# Altium PCB XTIDA-010086.PcbDoc (part 1 of 17) (continued)
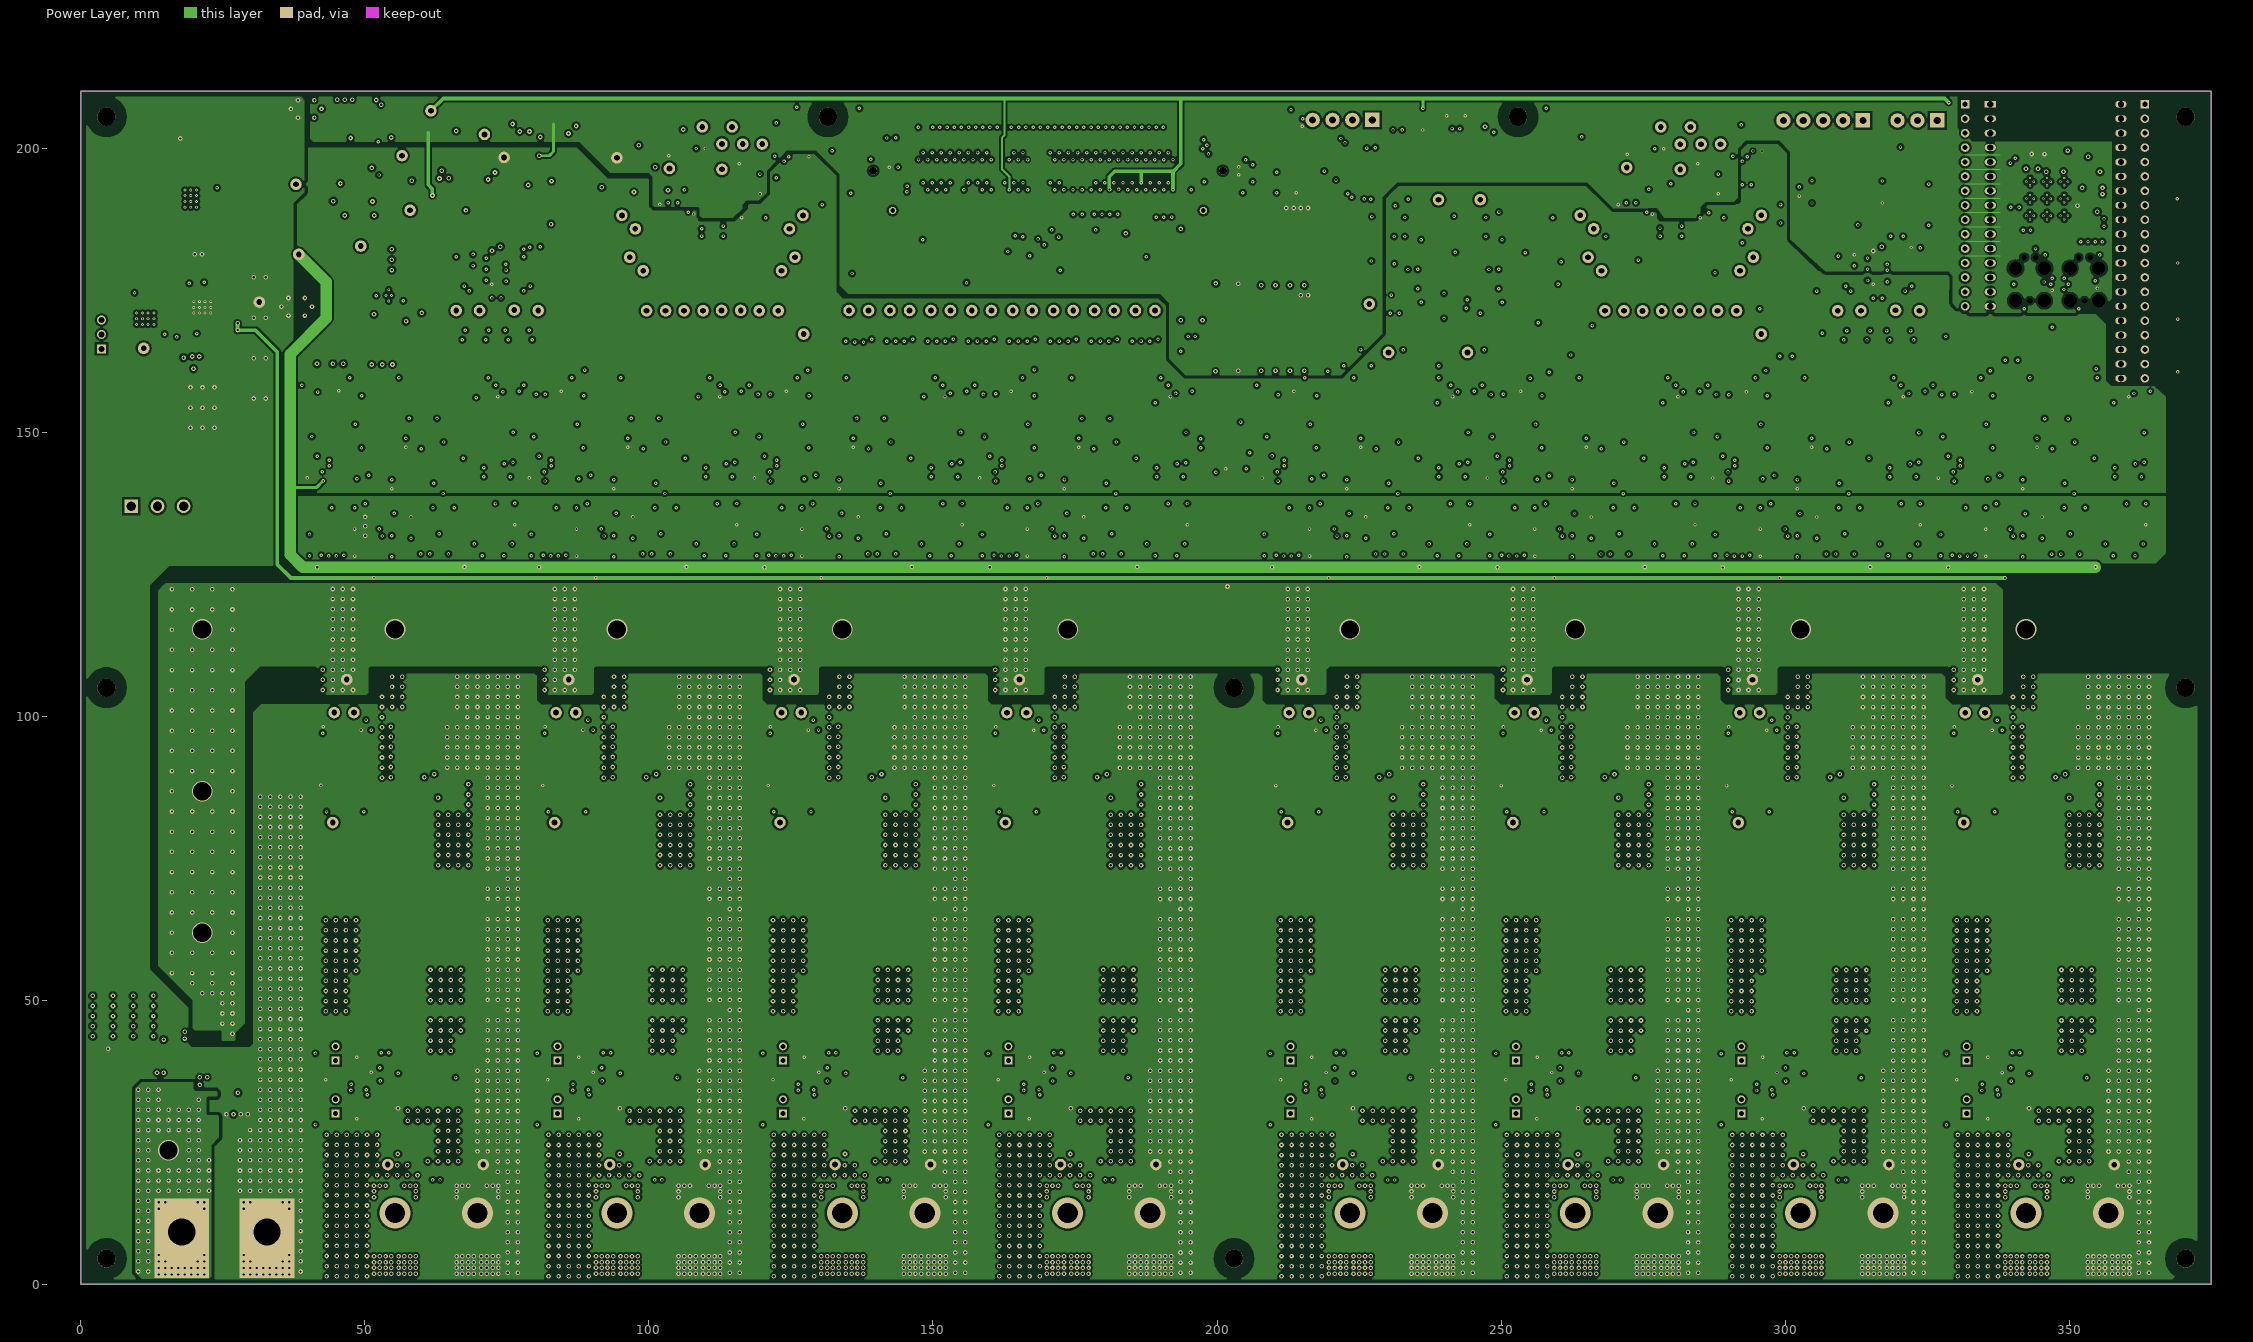
[diagram p5: Power Layer]

## Layer stack, top to bottom
Top Solder: solder mask 0.0102, Solder Resist, Dk 3.5
Top Layer: signal copper 0.0711
Dielectric 1: dielectric 0.2032, FR-4 High Tg, Dk 4.2
GND Layer: signal copper 0.0711
Dielectric2: core 0.2032, FR-4 High Tg, Dk 4.8
Signal Layer 1: signal copper 0.0356
Dielectric 3: dielectric 0.4064, FR-4 High Tg, Dk 4.2
Signal Layer 2: signal copper 0.0356
Dielectric 4: dielectric 0.2032, FR-4 High Tg, Dk 4.2
Power Layer: signal copper 0.0711
Dielectric 5: dielectric 0.2032, FR-4 High Tg, Dk 4.2
Bottom Layer: signal copper 0.0711
Bottom Solder: solder mask 0.0102, Solder Resist, Dk 3.5

## Board outline
0,0 375,0 375,210 0,210

## Design rules (kind name [scope] priority, off if disabled: settings)
AcuteAngle [All] p1: minimum=4.50000000000000E+0001 checktracksonly=FALSE
AssemblyTestPointUsage [All] p1: valid=2
BoardOutlineClearance [All] p1: gap=0.635 ignorepadtopadclearanceinfootprint=FALSE
Clearance mounting_hole_clearence [InPadClass('mounting hole') vs InPolygon] p1: gap=2.032 ignorepadtopadclearanceinfootprint=FALSE
Clearance Clearance_Poly [InPolygon vs InPolygon] p2: gap=0.635 ignorepadtopadclearanceinfootprint=FALSE
Clearance "Clearance_poly to all" [inpoly] p3: gap=0.381 ignorepadtopadclearanceinfootprint=FALSE
Clearance [All] p4: gap=0.152 ignorepadtopadclearanceinfootprint=FALSE except(0: Arc-Arc Arc-SMDPad)
ComponentClearance ComponentClearance_MountingHoles_FiducialMarks [InComponentClass('Mounting Holes') vs InComponentClass('FiducialMark')] p1: gap=0.254 collisioncheckmode=3 verticalgap=0.254 showdistances=FALSE
ComponentClearance ComponentClearance_Shunt [InComponentClass('Header') vs InComponentClass('Shunt')] p2: gap=0 collisioncheckmode=3 verticalgap=0 showdistances=FALSE
ComponentClearance ComponentClearance_Logo [InComponentClass('Logo')] p3: gap=0.254 collisioncheckmode=3 verticalgap=0.254 showdistances=FALSE
ComponentClearance ComponentClearance_ScrewToNut [(HasFootprint('NY PMS 440 0025 PH')) vs (HasFootprint('Keystone_1902C'))] p4: gap=0.127 collisioncheckmode=3 verticalgap=0.254 showdistances=FALSE
ComponentClearance ComponentClearance_MountingHoles [InComponentClass('Mounting Holes')] p5: gap=0.025 collisioncheckmode=3 verticalgap=2540 showdistances=FALSE
ComponentClearance ComponentClearance_SmallPassives [HasFootprint('0201*') or HasFootprint('0402*') or HasFootprint('0508') or HasFootprint('0603*') or HasFootprint('0612') or HasFootprint('0805*') or HasFootprint('0815*') or HasFootprint('0830*') or HasFootprint('1206*') or HasFootprint('1210*') or HasFootprint('1808*') or HasFootprint('1812*') or HasFootprint('1825*') or HasFootprint('2010*') or HasFootprint('2220*') or HasFootprint('2225*') or HasFootprint('2512*') or HasFootprint('2728*') or HasFootprint('3518*') vs HasFootprint('0201*') or HasFootprint('0402*') or HasFootprint('0508') or HasFootprint('0603*') or HasFootprint('0612') or HasFootprint('0805*') or HasFootprint('0815*') or HasFootprint('0830*') or HasFootprint('1206*') or HasFootprint('1210*') or HasFootprint('1808*') or HasFootprint('1812*') or HasFootprint('1825*') or HasFootprint('2010*') or HasFootprint('2220*') or HasFootprint('2225*') or HasFootprint('2512*') or HasFootprint('2728*') or HasFootprint('3518*')] p6: gap=0.076 collisioncheckmode=3 verticalgap=0.076 showdistances=FALSE
ComponentClearance ComponentClearance_THtoSMT [IsThruComponent vs IsSMTComponent] p7: gap=0 collisioncheckmode=3 verticalgap=0 showdistances=FALSE
ComponentClearance ComponentClearance_THtoTH [IsThruComponent vs IsThruComponent] p8: gap=0.254 collisioncheckmode=3 verticalgap=0.254 showdistances=FALSE
ComponentClearance [All] p9: gap=0.025 collisioncheckmode=3 verticalgap=0.025 showdistances=FALSE
DiffPairsRouting [All] p1: maxlimit=2.54 minlimit=0.254 mostfreqgap=0.254 toplayer_minwidth=0.254 toplayer_maxwidth=0.381 toplayer_prefwidth=0.254 midlayer1_minwidth=0.254 midlayer1_maxwidth=0.381 midlayer1_prefwidth=0.254 midlayer2_minwidth=0.254 midlayer2_maxwidth=0.381 midlayer2_prefwidth=0.254 midlayer3_minwidth=0.254 midlayer3_maxwidth=0.381 midlayer3_prefwidth=0.254 midlayer4_minwidth=0.254 midlayer4_maxwidth=0.381 midlayer4_prefwidth=0.254 bottomlayer_minwidth=0.254 bottomlayer_maxwidth=0.381 bottomlayer_prefwidth=0.254 maxuncoupledlength=25.4
FabricationTestPointUsage TestPointUsage [All] p1: valid=2 allowmultiple=FALSE
FabricationTestpoint Testpoint [All] p1: side=3 testpointundercomponent=TRUE minsize=1.016 maxsize=2.54 preferedsize=1.524 minholesize=0 maxholesize=1.016 preferedholesize=0.813 testpointgrid=0.025 allowsidetop=TRUE allowsidebottom=TRUE usegrid=TRUE gridtolerance=0
FanoutControl Fanout_LCC [IsLCC] p1: bgadir=Out bgaviamode=Centered fanoutstyle=Auto fanoutdirection=Alternating viagrid=0.025 // Fanout_LCC (Default Rule)
FanoutControl Fanout_BGA [IsBGA] p2: bgadir=Out bgaviamode=Centered fanoutstyle=Auto fanoutdirection=Alternating viagrid=0.025 // Fanout_BGA (Default Rule)
FanoutControl Fanout_Default [All] p4: bgadir=Out bgaviamode=Centered fanoutstyle=Auto fanoutdirection=Alternating viagrid=0.025 // Fanout_Default (Default Rule)
FanoutControl Fanout_Small [(CompPinCount < 5)] p5: bgadir=Out bgaviamode=Centered fanoutstyle=Auto fanoutdirection=OutThenIn viagrid=0.025 // Fanout_Small (Default Rule)
HoleSize [All] p1: absolutevalues=TRUE maxlimit=6.375 minlimit=0.2 maxpercent=80.000 minpercent=20.000
MinimumAnnularRing MinimumAnnularRing_ThermalPadVias [IsVia and InAnyComponent] p1: minimumring=0.15
MinimumAnnularRing [All] p2: minimumring=0.15
MinimumSolderMaskSliver MinimumSolderMaskSliver_Logo [InComponentClass('Logo') vs InComponentClass('Logo')] p1: minsoldermaskwidth=0.018
MinimumSolderMaskSliver [All] p2: minsoldermaskwidth=0.1
PlaneConnect [All] p1: planeconnectstyle=Direct reliefexpansion=0.254 reliefentries=4 reliefconductorwidth=0.254 reliefairgap=0.254
PolygonConnect [All] p1: connectstyle=Direct reliefconductorwidth=0.254 reliefentries=4 polygonreliefangle="90 Angle" airgapwidth=0.254
RoomDefinition Ch2 [InComponentClass('Ch2')] p1: confinementstyle=ConfineIn formatcopy=TRUE lockcomponents=FALSE outline 117.475,-10.975 78.537,-10.975 78.537,159.332 117.475,159.332
RoomDefinition Ch3 [InComponentClass('Ch3')] p2: confinementstyle=ConfineIn formatcopy=TRUE lockcomponents=FALSE outline 157.15,-10.977 118.212,-10.977 118.212,159.33 157.15,159.33
RoomDefinition Ch4 [InComponentClass('Ch4')] p3: confinementstyle=ConfineIn formatcopy=TRUE lockcomponents=FALSE outline 196.825,-10.979 157.886,-10.979 157.886,159.328 196.825,159.328
RoomDefinition Ch5 [InComponentClass('Ch5')] p4: confinementstyle=ConfineIn formatcopy=TRUE lockcomponents=FALSE outline 246.499,-10.981 207.561,-10.981 207.561,159.326 246.499,159.326
RoomDefinition Ch6 [InComponentClass('Ch6')] p5: confinementstyle=ConfineIn formatcopy=TRUE lockcomponents=FALSE outline 286.174,-10.983 247.236,-10.983 247.236,159.324 286.174,159.324
RoomDefinition Ch7 [InComponentClass('Ch7')] p6: confinementstyle=ConfineIn formatcopy=TRUE lockcomponents=FALSE outline 325.849,-10.985 286.911,-10.985 286.911,159.322 325.849,159.322
RoomDefinition Ch8 [InComponentClass('Ch8')] p7: confinementstyle=ConfineIn formatcopy=TRUE lockcomponents=FALSE outline 365.524,-10.987 326.586,-10.987 326.586,159.32 365.524,159.32
RoomDefinition Hardware [InComponentClass('Hardware')] p8: confinementstyle=ConfineIn formatcopy=TRUE lockcomponents=FALSE outline -0.076,-0.102 375.031,-0.102 375.031,210.058 -0.076,210.058
RoomDefinition "Control Card_28379" [InComponentClass('Control Card_28379')] p9: confinementstyle=ConfineIn formatcopy=TRUE lockcomponents=FALSE outline 132.369,161.976 281.407,161.976 281.407,197.739 132.369,197.739
RoomDefinition "Bias Power Supply" [InComponentClass('Bias Power Supply')] p10: confinementstyle=ConfineIn formatcopy=TRUE lockcomponents=FALSE outline 74.537,142.401 74.537,202.548 1.868,202.548 1.868,142.401
RoomDefinition "MAIN SHEET" [InComponentClass('MAIN SHEET')] p11: confinementstyle=ConfineIn formatcopy=TRUE lockcomponents=FALSE outline 38.608,-17.969 38.608,54.853 7.137,54.853 7.137,-17.969
RoomDefinition Ch1 [InComponentClass('Ch1')] p12: confinementstyle=ConfineIn formatcopy=FALSE lockcomponents=FALSE outline 78.41,-10.973 39.472,-10.973 39.472,159.334 78.41,159.334
RoomDefinition ADC [InComponentClass('ADC')] p13: confinementstyle=ConfineIn formatcopy=TRUE lockcomponents=FALSE outline 76.109,162.121 349.083,162.121 349.083,204.946 76.109,204.946
RoutingVias ThermalPadVias [IsVia and InAnyComponent] p1: holewidth=0.2 width=0.5 viastyle="Through Hole" minholewidth=0.2 minwidth=0.5 maxholewidth=0.33 maxwidth=0.6
RoutingVias [All] p2: holewidth=0.406 width=0.813 viastyle="Through Hole" minholewidth=0.305 minwidth=0.61 maxholewidth=0.406 maxwidth=0.813
SilkToBoardRegionClearance [Not ((IsComment or IsDesignator) And (Hide <> 'False')) and not InRegion(1000,500,4000,800)] p1:
SilkToSilkClearance SilkToSilkClearance_Pb-FreeLogo [(HasFootprint('Pb-Free_Overlay_Medium') OR HasFootprint('Pb-Free_Overlay_Small')) vs (HasFootprint('Pb-Free_Overlay_Medium') OR HasFootprint('Pb-Free_Overlay_Small'))] p1: silktosilkclearance=0
SilkToSilkClearance [All] p2: silktosilkclearance=0.051
SilkToSolderMaskClearance SilkToComponentPadClearance [(IsPad or IsFill or IsRegion) and InAnycomponent] p1: minsilkscreentomaskgap=0.127 clearancetoexposedcopper=TRUE
SilkToSolderMaskClearance "Silk to Solder Mask Opening" [All] p2: minsilkscreentomaskgap=0.102 clearancetoexposedcopper=FALSE
SolderMaskExpansion [All] p1: expansion=0.05 istentingtop=FALSE
Width [All] p1: maxlimit=2.54 minlimit=0.152 preferedwidth=0.254 checkconnectedcopper=TRUE
15 further rules are at their usual default settings.

## Classes and differential pairs
net class VoutS[1..8]: VoutS1 VoutS2 VoutS3 VoutS4 VoutS5 VoutS6 VoutS7 VoutS8
net class ACS: 10V -5V AGND AVDD B+_Ch1 B+_Ch2 B+_Ch3 B+_Ch4 B+_Ch5 B+_Ch6 B+_Ch7 B+_Ch8 B-_Ch1 B-_Ch2 B-_Ch3 B-_Ch4 B-_Ch5 B-_Ch6 B-_Ch7 B-_Ch8 NetC38_Ch1_2 NetC38_Ch2_2 NetC38_Ch3_2 NetC38_Ch4_2 NetC38_Ch5_2 NetC38_Ch6_2 NetC38_Ch7_2 NetC38_Ch8_2 NetC48_Ch1_1 NetC48_Ch1_2 NetC48_Ch2_1 NetC48_Ch2_2 NetC48_Ch3_1 NetC48_Ch3_2 NetC48_Ch4_1 NetC48_Ch4_2 NetC48_Ch5_1 NetC48_Ch5_2 NetC48_Ch6_1 NetC48_Ch6_2 NetC48_Ch7_1 NetC48_Ch7_2 NetC48_Ch8_1 NetC48_Ch8_2 NetC49_Ch1_2 NetC49_Ch2_2 NetC49_Ch3_2 NetC49_Ch4_2 NetC49_Ch5_2 NetC49_Ch6_2 NetC49_Ch7_2 NetC49_Ch8_2 NetC50_Ch1_1 NetC50_Ch1_2 NetC50_Ch2_1 NetC50_Ch2_2 NetC50_Ch3_1 NetC50_Ch3_2 NetC50_Ch4_1 NetC50_Ch4_2 NetC50_Ch5_1 NetC50_Ch5_2 NetC50_Ch6_1 NetC50_Ch6_2 NetC50_Ch7_1 NetC50_Ch7_2 NetC50_Ch8_1 NetC50_Ch8_2 NetC54_Ch1_1 NetC54_Ch1_2 NetC54_Ch2_1 NetC54_Ch2_2 NetC54_Ch3_1 NetC54_Ch3_2 NetC54_Ch4_1 NetC54_Ch4_2 NetC54_Ch5_1 NetC54_Ch5_2 NetC54_Ch6_1 NetC54_Ch6_2 NetC54_Ch7_1 NetC54_Ch7_2 NetC54_Ch8_1 NetC54_Ch8_2 NetR63_Ch1_1 NetR63_Ch2_1 NetR63_Ch3_1 NetR63_Ch4_1 NetR63_Ch5_1 NetR63_Ch6_1 NetR63_Ch7_1 NetR63_Ch8_1 VoutS1 VoutS2 VoutS3 VoutS4 VoutS5 VoutS6 VoutS7 VoutS8
net class TS: AGND AVdd NetC180_Ch1_1 NetC180_Ch1_2 NetC180_Ch2_1 NetC180_Ch2_2 NetC180_Ch3_1 NetC180_Ch3_2 NetC180_Ch4_1 NetC180_Ch4_2 NetC180_Ch5_1 NetC180_Ch5_2 NetC180_Ch6_1 NetC180_Ch6_2 NetC180_Ch7_1 NetC180_Ch7_2 NetC180_Ch8_1 NetC180_Ch8_2 NetC185_Ch1_2 NetC185_Ch2_2 NetC185_Ch3_2 NetC185_Ch4_2 NetC185_Ch5_2 NetC185_Ch6_2 NetC185_Ch7_2 NetC185_Ch8_2 TemP1 TemP2 TemP3 TemP4 TemP5 TemP6 TemP7 TemP8 Vbias_1_25 Vref_2_50
net class RV: 10V -5V B+_Ch1 B+_Ch2 B+_Ch3 B+_Ch4 B+_Ch5 B+_Ch6 B+_Ch7 B+_Ch8 NetD34_Ch1_1 NetD34_Ch1_2 NetD34_Ch2_1 NetD34_Ch2_2 NetD34_Ch3_1 NetD34_Ch3_2 NetD34_Ch4_1 NetD34_Ch4_2 NetD34_Ch5_1 NetD34_Ch5_2 NetD34_Ch6_1 NetD34_Ch6_2 NetD34_Ch7_1 NetD34_Ch7_2 NetD34_Ch8_1 NetD34_Ch8_2 NetD35_Ch1_1 NetD35_Ch1_2 NetD35_Ch2_1 NetD35_Ch2_2 NetD35_Ch3_1 NetD35_Ch3_2 NetD35_Ch4_1 NetD35_Ch4_2 NetD35_Ch5_1 NetD35_Ch5_2 NetD35_Ch6_1 NetD35_Ch6_2 NetD35_Ch7_1 NetD35_Ch7_2 NetD35_Ch8_1 NetD35_Ch8_2 NetD36_Ch1_2 NetD36_Ch2_2 NetD36_Ch3_2 NetD36_Ch4_2 NetD36_Ch5_2 NetD36_Ch6_2 NetD36_Ch7_2 NetD36_Ch8_2 NetR44_Ch1_1 NetR44_Ch2_1 NetR44_Ch3_1 NetR44_Ch4_1 NetR44_Ch5_1 NetR44_Ch6_1 NetR44_Ch7_1 NetR44_Ch8_1 NetR45_Ch1_1 NetR45_Ch2_1 NetR45_Ch3_1 NetR45_Ch4_1 NetR45_Ch5_1 NetR45_Ch6_1 NetR45_Ch7_1 NetR45_Ch8_1 NetR161_Ch1_1 NetR161_Ch2_1 NetR161_Ch3_1 NetR161_Ch4_1 NetR161_Ch5_1 NetR161_Ch6_1 NetR161_Ch7_1 NetR161_Ch8_1 PDrive_Ch1 PDrive_Ch2 PDrive_Ch3 PDrive_Ch4 PDrive_Ch5 PDrive_Ch6 PDrive_Ch7 PDrive_Ch8 PGND V+_Ch1 V+_Ch2 V+_Ch3 V+_Ch4 V+_Ch5 V+_Ch6 V+_Ch7 V+_Ch8
net class PS: 12V_Out +VSense_Ch1 +VSense_Ch2 +VSense_Ch3 +VSense_Ch4 +VSense_Ch5 +VSense_Ch6 +VSense_Ch7 +VSense_Ch8 -VSense_Ch1 -VSense_Ch2 -VSense_Ch3 -VSense_Ch4 -VSense_Ch5 -VSense_Ch6 -VSense_Ch7 -VSense_Ch8 B+_Ch1 B+_Ch2 B+_Ch3 B+_Ch4 B+_Ch5 B+_Ch6 B+_Ch7 B+_Ch8 B-_Ch1 B-_Ch2 B-_Ch3 B-_Ch4 B-_Ch5 B-_Ch6 B-_Ch7 B-_Ch8 CS+_Ch1 CS+_Ch2 CS+_Ch3 CS+_Ch4 CS+_Ch5 CS+_Ch6 CS+_Ch7 CS+_Ch8 CS-_Ch1 CS-_Ch2 CS-_Ch3 CS-_Ch4 CS-_Ch5 CS-_Ch6 CS-_Ch7 CS-_Ch8 HDrive_Ch1 HDrive_Ch2 HDrive_Ch3 HDrive_Ch4 HDrive_Ch5 HDrive_Ch6 HDrive_Ch7 HDrive_Ch8 LDrive_Ch1 LDrive_Ch2 LDrive_Ch3 LDrive_Ch4 LDrive_Ch5 LDrive_Ch6 LDrive_Ch7 LDrive_Ch8 NetC2_Ch1_2 NetC2_Ch2_2 NetC2_Ch3_2 NetC2_Ch4_2 NetC2_Ch5_2 NetC2_Ch6_2 NetC2_Ch7_2 NetC2_Ch8_2 NetC3_Ch1_1 NetC3_Ch2_1 NetC3_Ch3_1 NetC3_Ch4_1 NetC3_Ch5_1 NetC3_Ch6_1 NetC3_Ch7_1 NetC3_Ch8_1 NetC9_Ch1_1 NetC9_Ch2_1 NetC9_Ch3_1 NetC9_Ch4_1 NetC9_Ch5_1 NetC9_Ch6_1 NetC9_Ch7_1 NetC9_Ch8_1 NetC15_Ch1_2 NetC15_Ch2_2 NetC15_Ch3_2 NetC15_Ch4_2 NetC15_Ch5_2 NetC15_Ch6_2 NetC15_Ch7_2 NetC15_Ch8_2 NetF1_Ch1_1 NetF1_Ch1_2 NetF1_Ch2_1 NetF1_Ch2_2 NetF1_Ch3_1 NetF1_Ch3_2 NetF1_Ch4_1 NetF1_Ch4_2 NetF1_Ch5_1 NetF1_Ch5_2 NetF1_Ch6_1 NetF1_Ch6_2 NetF1_Ch7_1 NetF1_Ch7_2 NetF1_Ch8_1 NetF1_Ch8_2 NetL2_Ch1_2 NetL2_Ch2_2 NetL2_Ch3_2 NetL2_Ch4_2 NetL2_Ch5_2 NetL2_Ch6_2 NetL2_Ch7_2 NetL2_Ch8_2 NetQ8_Ch1_4 NetQ8_Ch2_4 NetQ8_Ch3_4 NetQ8_Ch4_4 NetQ8_Ch5_4 NetQ8_Ch6_4 NetQ8_Ch7_4 NetQ8_Ch8_4 NetR6_Ch1_3 NetR6_Ch1_4 NetR6_Ch2_3 NetR6_Ch2_4 NetR6_Ch3_3 NetR6_Ch3_4 NetR6_Ch4_3 NetR6_Ch4_4 NetR6_Ch5_3 NetR6_Ch5_4 NetR6_Ch6_3 NetR6_Ch6_4 NetR6_Ch7_3 NetR6_Ch7_4 NetR6_Ch8_3 NetR6_Ch8_4 PDrive_Ch1 PDrive_Ch2 PDrive_Ch3 PDrive_Ch4 PDrive_Ch5 PDrive_Ch6 PDrive_Ch7 PDrive_Ch8 PGND SW_Ch1 SW_Ch2 SW_Ch3 SW_Ch4 SW_Ch5 SW_Ch6 SW_Ch7 SW_Ch8 V+_Ch1 V+_Ch2 V+_Ch3 V+_Ch4 V+_Ch5 V+_Ch6 V+_Ch7 V+_Ch8 V-_Ch1 V-_Ch2 V-_Ch3 V-_Ch4 V-_Ch5 V-_Ch6 V-_Ch7 V-_Ch8
net class DRV: 10V_Gate EPWM_A1 EPWM_A2 EPWM_A3 EPWM_A4 EPWM_A5 EPWM_A6 EPWM_A7 EPWM_A8 EPWM_B1 EPWM_B2 EPWM_B3 EPWM_B4 EPWM_B5 EPWM_B6 EPWM_B7 EPWM_B8 H-Drive_Ch1 H-Drive_Ch2 H-Drive_Ch3 H-Drive_Ch4 H-Drive_Ch5 H-Drive_Ch6 H-Drive_Ch7 H-Drive_Ch8 HDrive_Ch1 HDrive_Ch2 HDrive_Ch3 HDrive_Ch4 HDrive_Ch5 HDrive_Ch6 HDrive_Ch7 HDrive_Ch8 L-Drive_Ch1 L-Drive_Ch2 L-Drive_Ch3 L-Drive_Ch4 L-Drive_Ch5 L-Drive_Ch6 L-Drive_Ch7 L-Drive_Ch8 LDrive_Ch1 LDrive_Ch2 LDrive_Ch3 LDrive_Ch4 LDrive_Ch5 LDrive_Ch6 LDrive_Ch7 LDrive_Ch8 NetC1_Ch1_1 NetC1_Ch2_1 NetC1_Ch3_1 NetC1_Ch4_1 NetC1_Ch5_1 NetC1_Ch6_1 NetC1_Ch7_1 NetC1_Ch8_1 NetC8_Ch1_2 NetC8_Ch2_2 NetC8_Ch3_2 NetC8_Ch4_2 NetC8_Ch5_2 NetC8_Ch6_2 NetC8_Ch7_2 NetC8_Ch8_2 NetD3_Ch1_2 NetD3_Ch2_2 NetD3_Ch3_2 NetD3_Ch4_2 NetD3_Ch5_2 NetD3_Ch6_2 NetD3_Ch7_2 NetD3_Ch8_2 NetD4_Ch1_2 NetD4_Ch2_2 NetD4_Ch3_2 NetD4_Ch4_2 NetD4_Ch5_2 NetD4_Ch6_2 NetD4_Ch7_2 NetD4_Ch8_2 NetR1_Ch1_1 NetR1_Ch2_1 NetR1_Ch3_1 NetR1_Ch4_1 NetR1_Ch5_1 NetR1_Ch6_1 NetR1_Ch7_1 NetR1_Ch8_1 NetR3_Ch1_1 NetR3_Ch2_1 NetR3_Ch3_1 NetR3_Ch4_1 NetR3_Ch5_1 NetR3_Ch6_1 NetR3_Ch7_1 NetR3_Ch8_1 PGND SW_Ch1 SW_Ch2 SW_Ch3 SW_Ch4 SW_Ch5 SW_Ch6 SW_Ch7 SW_Ch8
net class CS: 10V -5V AGND AVDD CS+_Ch1 CS+_Ch2 CS+_Ch3 CS+_Ch4 CS+_Ch5 CS+_Ch6 CS+_Ch7 CS+_Ch8 CS-_Ch1 CS-_Ch2 CS-_Ch3 CS-_Ch4 CS-_Ch5 CS-_Ch6 CS-_Ch7 CS-_Ch8 IoutN1 IoutN2 IoutN3 IoutN4 IoutN5 IoutN6 IoutN7 IoutN8 IoutP1 IoutP2 IoutP3 IoutP4 IoutP5 IoutP6 IoutP7 IoutP8 IoutS1 IoutS2 IoutS3 IoutS4 IoutS5 IoutS6 IoutS7 IoutS8 NetC16_Ch1_1 NetC16_Ch1_2 NetC16_Ch2_1 NetC16_Ch2_2 NetC16_Ch3_1 NetC16_Ch3_2 NetC16_Ch4_1 NetC16_Ch4_2 NetC16_Ch5_1 NetC16_Ch5_2 NetC16_Ch6_1 NetC16_Ch6_2 NetC16_Ch7_1 NetC16_Ch7_2 NetC16_Ch8_1 NetC16_Ch8_2 NetC19_Ch1_1 NetC19_Ch1_2 NetC19_Ch2_1 NetC19_Ch2_2 NetC19_Ch3_1 NetC19_Ch3_2 NetC19_Ch4_1 NetC19_Ch4_2 NetC19_Ch5_1 NetC19_Ch5_2 NetC19_Ch6_1 NetC19_Ch6_2 NetC19_Ch7_1 NetC19_Ch7_2 NetC19_Ch8_1 NetC19_Ch8_2 NetC26_Ch1_1 NetC26_Ch2_1 NetC26_Ch3_1 NetC26_Ch4_1 NetC26_Ch5_1 NetC26_Ch6_1 NetC26_Ch7_1 NetC26_Ch8_1 NetC27_Ch1_1 NetC27_Ch2_1 NetC27_Ch3_1 NetC27_Ch4_1 NetC27_Ch5_1 NetC27_Ch6_1 NetC27_Ch7_1 NetC27_Ch8_1 NetC33_Ch1_1 NetC33_Ch1_2 NetC33_Ch2_1 NetC33_Ch2_2 NetC33_Ch3_1 NetC33_Ch3_2 NetC33_Ch4_1 NetC33_Ch4_2 NetC33_Ch5_1 NetC33_Ch5_2 NetC33_Ch6_1 NetC33_Ch6_2 NetC33_Ch7_1 NetC33_Ch7_2 NetC33_Ch8_1 NetC33_Ch8_2 NetC35_Ch1_1 NetC35_Ch1_2 NetC35_Ch2_1 NetC35_Ch2_2 NetC35_Ch3_1 NetC35_Ch3_2 NetC35_Ch4_1 NetC35_Ch4_2 NetC35_Ch5_1 NetC35_Ch5_2 NetC35_Ch6_1 NetC35_Ch6_2 NetC35_Ch7_1 NetC35_Ch7_2 NetC35_Ch8_1 NetC35_Ch8_2 NetC147_Ch1_1 NetC147_Ch2_1 NetC147_Ch3_1 NetC147_Ch4_1 NetC147_Ch5_1 NetC147_Ch6_1 NetC147_Ch7_1 NetC147_Ch8_1 NetR30_Ch1_1 NetR30_Ch1_2 NetR30_Ch2_1 NetR30_Ch2_2 NetR30_Ch3_1 NetR30_Ch3_2 NetR30_Ch4_1 NetR30_Ch4_2 NetR30_Ch5_1 NetR30_Ch5_2 NetR30_Ch6_1 NetR30_Ch6_2 NetR30_Ch7_1 NetR30_Ch7_2 NetR30_Ch8_1 NetR30_Ch8_2 NetR34_Ch1_1 NetR34_Ch2_1 NetR34_Ch3_1 NetR34_Ch4_1 NetR34_Ch5_1 NetR34_Ch6_1 NetR34_Ch7_1 NetR34_Ch8_1 NetR40_Ch1_2 NetR40_Ch2_2 NetR40_Ch3_2 NetR40_Ch4_2 NetR40_Ch5_2 NetR40_Ch6_2 NetR40_Ch7_2 NetR40_Ch8_2 Vbias_1_25
net class IoutS[1..8]: IoutS1 IoutS2 IoutS3 IoutS4 IoutS5 IoutS6 IoutS7 IoutS8
net class TemP[1..8]: TemP1 TemP2 TemP3 TemP4 TemP5 TemP6 TemP7 TemP8
channel class "XTIDA-010086_Power Stage": Ch1 Ch2 Ch3 Ch4 Ch5 Ch6 Ch7 Ch8
component class "Control Card_28379": C32 C34 C124 C125 C126 C135 C150 C169 C173 C175 C176 C186 C194 C195 CAN D12 D13 D33 I2C J5 J6 J7 LED P1 P2 R22 R23 R26 R27 R43 R47 R48 R49 R50 R51 R52 R53 R54 R55 R56 R57 R58 R59 R60 R162 R164 R165 R173 R187 R220 R222 R223 R224 R225 R226 R227 R228 R229 R230 R231 R232 R233 R234 R235 R236 R237 R238 R239 R240 R241 R242 R243 R244 R245 R246 R247 R248 R249 R250 R251 R252 R253 R254 R255 R256 R257 R258 R259 R260 R261 R262 R263 R264 R265 R266 R267 R268 R269 R270 R271 R272 R273 R274 R275 R276 R277 R278 R279 R280 R281 R282 R283 R284 R285 R286 R288 R289 R292 R293 R294 R295 R296 R297 R298 R299 R300 R301 R303 R306 R307 R308 R309 R310 R311 R312 R313 R314 R315 R316 R317 R318 S4 S5 S6 TP41 U14 U17 U26 U27 U34 U35 U39
component class ADC: C30 C41 C42 C43 C44 C46 C47 C51 C55 C60 C61 C62 C63 C64 C65 C66 C67 C68 C69 C70 C71 C72 C73 C74 C75 C76 C77 C78 C79 C80 C81 C82 C83 C84 C85 C86 C87 C88 C89 C90 C91 C92 C93 C94 C95 C96 C97 C98 C99 C100 C101 C122 C123 C127 C128 C129 C130 C131 C132 C133 C134 C136 C144 C145 C148 C149 C187 C188 C189 C190 C191 C192 C193 C449 C453 C454 C455 C459 C460 C461 R7 R41 R42 R78 R79 R90 R91 R92 R93 R94 R95 R96 R97 R98 R99 R100 R101 R102 R103 R104 R105 R106 R107 R108 R109 R110 R111 R112 R113 R114 R115 R116 R117 R118 R119 R120 R121 R122 R123 R124 R125 R126 R127 R128 R129 R130 R131 R132 R133 R134 R135 R136 R137 R138 R139 R140 R141 R142 R143 R144 R145 R146 R147 R148 R149 R150 R151 R152 R153 R154 R155 R156 R157 R158 R159 R160 R166 R167 R168 R169 R170 R171 R172 R174 R175 R177 R178 R181 R184 R186 R192 R193 R204 R218 R304 R305 R457 R485 R486 R488 R489 R491 R492 R494 S1 S2 TP12 TP13 TP14 TP15 TP16 TP17 TP18 TP19 TP20 TP21 TP22 TP23 TP30 TP31 TP37 TP38 TP39 TP40 TP45 TP46 U7 U8 U9 U12 U13 U15 U16 U19 U32 U33 U41 U414 Y1 Y2
net class VoutP[1..8]: VoutP1 VoutP2 VoutP3 VoutP4 VoutP5 VoutP6 VoutP7 VoutP8
net class VoutN[1..8]: VoutN1 VoutN2 VoutN3 VoutN4 VoutN5 VoutN6 VoutN7 VoutN8
net class IoutP[1..8]: IoutP1 IoutP2 IoutP3 IoutP4 IoutP5 IoutP6 IoutP7 IoutP8
net class IoutN[1..8]: IoutN1 IoutN2 IoutN3 IoutN4 IoutN5 IoutN6 IoutN7 IoutN8
net class EPWM_B[1..8]: EPWM_B1 EPWM_B2 EPWM_B3 EPWM_B4 EPWM_B5 EPWM_B6 EPWM_B7 EPWM_B8
net class EPWM_A[1..8]: EPWM_A1 EPWM_A2 EPWM_A3 EPWM_A4 EPWM_A5 EPWM_A6 EPWM_A7 EPWM_A8
component class "MAIN SHEET": C56 C57 C58 C59 D5 D6 D7 D8 Q2 Q3 Q4 R80 R81 R82 R83 R84 R85 R86 R87 R88 R89 T1 T2 U11
component class Ch8: C1_Ch8 C2_Ch8 C3_Ch8 C4_Ch8 C5_Ch8 C6_Ch8 C7_Ch8 C8_Ch8 C9_Ch8 C10_Ch8 C11_Ch8 C12_Ch8 C13_Ch8 C14_Ch8 C15_Ch8 C16_Ch8 C17_Ch8 C18_Ch8 C19_Ch8 C20_Ch8 C21_Ch8 C22_Ch8 C23_Ch8 C24_Ch8 C25_Ch8 C26_Ch8 C27_Ch8 C28_Ch8 C29_Ch8 C31_Ch8 C33_Ch8 C35_Ch8 C36_Ch8 C37_Ch8 C38_Ch8 C39_Ch8 C40_Ch8 C45_Ch8 C48_Ch8 C49_Ch8 C50_Ch8 C52_Ch8 C53_Ch8 C54_Ch8 C56_Ch8 C57_Ch8 C58_Ch8 C59_Ch8 C60_Ch8 C61_Ch8 C62_Ch8 C63_Ch8 C64_Ch8 C65_Ch8 C66_Ch8 C67_Ch8 C68_Ch8 C69_Ch8 C70_Ch8 C71_Ch8 C72_Ch8 C73_Ch8 C74_Ch8 C75_Ch8 C76_Ch8 C77_Ch8 C78_Ch8 C79_Ch8 C80_Ch8 C81_Ch8 C82_Ch8 C83_Ch8 C84_Ch8 C85_Ch8 C86_Ch8 C87_Ch8 C88_Ch8 C89_Ch8 C90_Ch8 C91_Ch8 C92_Ch8 C93_Ch8 C94_Ch8 C95_Ch8 C96_Ch8 C97_Ch8 C98_Ch8 C99_Ch8 C100_Ch8 C101_Ch8 C102_Ch8 C103_Ch8 C147_Ch8 C151_Ch8 C166_Ch8 C167_Ch8 C168_Ch8 C170_Ch8 C171_Ch8 C172_Ch8 C174_Ch8 C177_Ch8 C178_Ch8 C179_Ch8 C180_Ch8 C181_Ch8 C182_Ch8 C183_Ch8 C184_Ch8 C185_Ch8 D1_Ch8 D2_Ch8 D3_Ch8 D4_Ch8 D5_Ch8 D6_Ch8 D7_Ch8 D10_Ch8 D34_Ch8 D35_Ch8 D36_Ch8 F1_Ch8 J1_Ch8 J2_Ch8 J3_Ch8 L1_Ch8 L2_Ch8 Q1_Ch8 Q7_Ch8 Q8_Ch8 R1_Ch8 R2_Ch8 R3_Ch8 R4_Ch8 R5_Ch8 R6_Ch8 R7_Ch8 R8_Ch8 R9_Ch8 R10_Ch8 R11_Ch8 R12_Ch8 R13_Ch8 R14_Ch8 R15_Ch8 R16_Ch8 R17_Ch8 R18_Ch8 R19_Ch8 R20_Ch8 R21_Ch8 R24_Ch8 R25_Ch8 R28_Ch8 R29_Ch8 R30_Ch8 R31_Ch8 R32_Ch8 R33_Ch8 R34_Ch8 R35_Ch8 R36_Ch8 R37_Ch8 R38_Ch8 R39_Ch8 R40_Ch8 R44_Ch8 R45_Ch8 R46_Ch8 R61_Ch8 R62_Ch8 R63_Ch8 R64_Ch8 R65_Ch8 R66_Ch8 R67_Ch8 R68_Ch8 R69_Ch8 R70_Ch8 R71_Ch8 R72_Ch8 R73_Ch8 R74_Ch8 R75_Ch8 R76_Ch8 R77_Ch8 R93_Ch8 R95_Ch8 R96_Ch8 R97_Ch8 R98_Ch8 R99_Ch8 R100_Ch8 R101_Ch8 R102_Ch8 R103_Ch8 R104_Ch8 R105_Ch8 R107_Ch8 R110_Ch8 R111_Ch8 R113_Ch8 R114_Ch8 R115_Ch8 R116_Ch8 R117_Ch8 R118_Ch8 R119_Ch8 R120_Ch8 R121_Ch8 R122_Ch8 R123_Ch8 R124_Ch8 R125_Ch8 R126_Ch8 R127_Ch8 R128_Ch8 R129_Ch8 R130_Ch8 R131_Ch8 R132_Ch8 R133_Ch8 R134_Ch8 R138_Ch8 R139_Ch8 R140_Ch8 R141_Ch8 R142_Ch8 R143_Ch8 R144_Ch8 R145_Ch8 R146_Ch8 R147_Ch8 R148_Ch8 R149_Ch8 R150_Ch8 R151_Ch8 R152_Ch8 R153_Ch8 R154_Ch8 R155_Ch8 R158_Ch8 R161_Ch8 R164_Ch8 R165_Ch8 R166_Ch8 R167_Ch8 R168_Ch8 R169_Ch8 R170_Ch8 R171_Ch8 R176_Ch8 R185_Ch8 R216_Ch8 R217_Ch8 R219_Ch8 R221_Ch8 R287_Ch8 R290_Ch8 R291_Ch8 R302_Ch8 RT1_Ch8 TP1_Ch8 TP2_Ch8 TP3_Ch8 TP4_Ch8 TP5_Ch8 TP6_Ch8 TP7_Ch8 TP8_Ch8 TP9_Ch8 TP10_Ch8 TP42_Ch8 TP43_Ch8 TP44_Ch8 U1_Ch8 U2_Ch8 U3_Ch8 U4_Ch8 U5_Ch8 U6_Ch8 U10_Ch8 U17_Ch8 U18_Ch8 U19_Ch8 U20_Ch8 U21_Ch8 U22_Ch8 U36_Ch8 U37_Ch8 U40_Ch8